# Altium PCB MOTHERBOARD.PcbDoc (part 2 of 4) (continued)
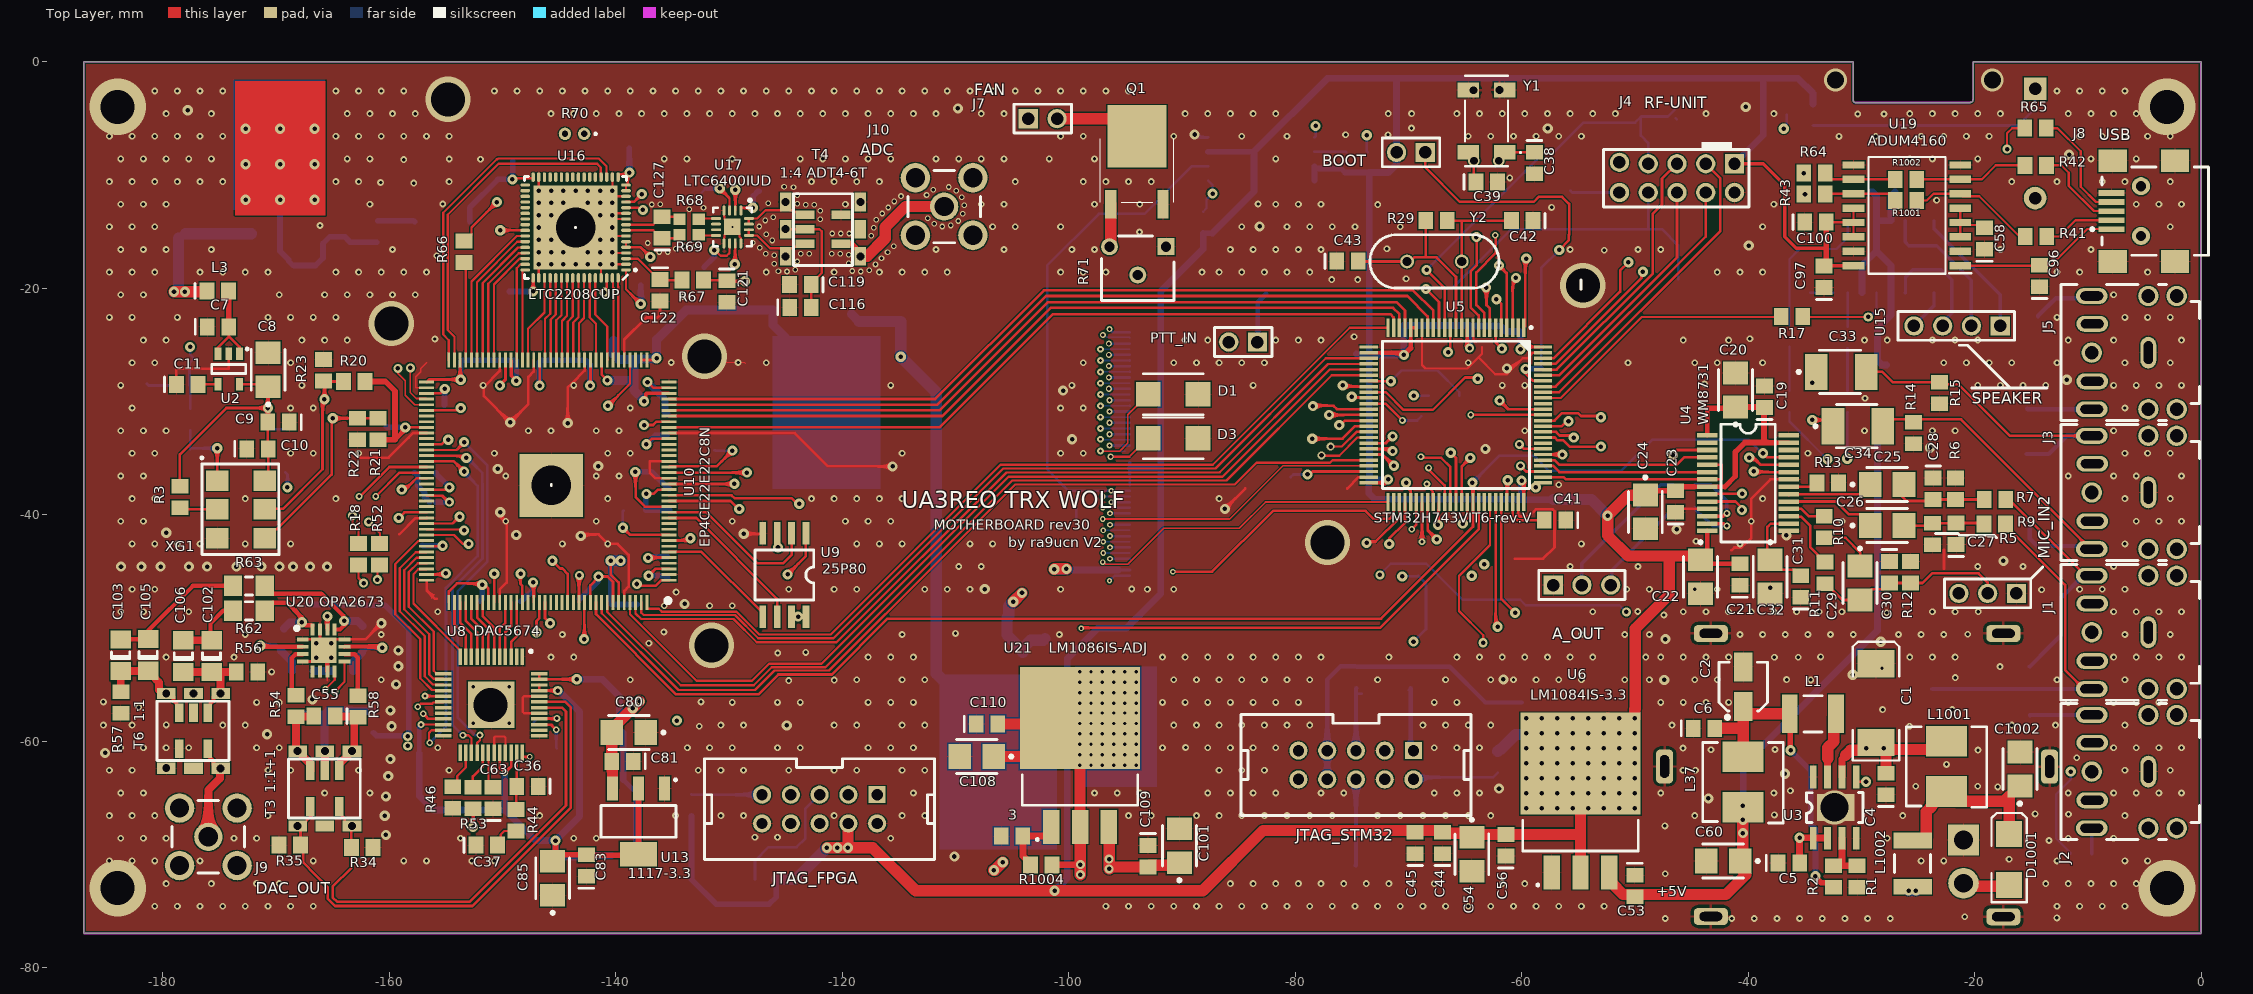
[diagram p0: Top Layer view]
## Nets (pads, with @x,y where several pads share a name; then routed paths per layer and width w, separated by ;. In a path a pad name is that pad's centre, name@x,y a point inside that pad or via, vN(x,y) a via of type N, cw(c..) or ccw(c..) an arc to the next point about the centre after c; other vN are vias at no path point) (continued)
  other v2: -40.463,-66.975 -40.463,-65.7
+12: C89.2 C90.2 C92.2 C108.1 C110.2 R25.2 R1004.2 U20.14 U21.2 U21.4 | length 130.6
  Top Layer w0.35: U20.14@-165.475,-50.15 v2@-165.475,-49.075
  Top Layer w0.381: v2@-165.475,-49.075 v2@-165.4,-49
  Top Layer w0.6: R1004.2@-101.475,-70.95 -101.462,-70.937 -98.987,-70.937 v5(-98.975,-70.925)
  Top Layer w1: C108.1@-106.625,-61.375 -102.4,-61.375 U21.4@-99.525,-58.5 ; C110.2@-106.275,-58.5 U21.4@-99.525,-58.5 ; v5(-98.975,-71.8) v5(-98.975,-70.925) -98.975,-67.6 U21.2@-99,-67.575 U21.4@-99,-57.975 U21.4@-99.525,-58.5
  Layer 1 w1: v5(-98.975,-71.8) v5(-98.975,-70.925)
  Layer 2 w1: v5(-158.375,-59.6) v5(-158.375,-60.425) -158.375,-66.825 -158.2,-67 -154.626,-70.574 -153.574,-71.626 -150.4,-74.8 -100.425,-74.8 -98.975,-73.35 v5(-98.975,-71.8) v5(-98.975,-70.925)
  Bottom Layer w0.5: C92.2@-167.35,-47.95 C90.2@-165.65,-47.95 -164.05,-47.95 -164,-48 -160.4,-48 -158.3,-50.1 -158.3,-59.525 v5(-158.375,-59.6) -158.448,-59.527 -161.148,-59.527 R25.2@-161.4,-59.275
  Bottom Layer w1: v5(-98.975,-71.8) v5(-98.975,-70.925)
  other v2: -165.475,-49
  other v4: -99.025,-62.125 -98.03,-62.125 -97.035,-62.125 -96.04,-62.125 -95.045,-62.125 -94.05,-62.125 -99.025,-61.2 -98.03,-61.2 -97.035,-61.2 -96.04,-61.2 -95.045,-61.2 -94.05,-61.2 -99.025,-60.275 -98.03,-60.275 -97.035,-60.275 -96.04,-60.275 -95.045,-60.275 -94.05,-60.275 -99.025,-59.35 -98.03,-59.35 -97.035,-59.35 -96.04,-59.35 -95.045,-59.35 -94.05,-59.35 -99.025,-58.45 -98.03,-58.45 -97.035,-58.45 -96.04,-58.45 -95.045,-58.45 -94.05,-58.45 -99.025,-57.525 -98.03,-57.525 -97.035,-57.525 -96.04,-57.525 -95.045,-57.525 -94.05,-57.525 -99.025,-56.65 -98.03,-56.65 -97.035,-56.65 -96.04,-56.65 -95.045,-56.65 -94.05,-56.65 -99.025,-55.75 -98.03,-55.75 -97.035,-55.75 -96.04,-55.75 -95.045,-55.75 -94.05,-55.75 -99.025,-54.825 -98.03,-54.825 -97.035,-54.825 -96.04,-54.825 -95.045,-54.825 -94.05,-54.825 -99.025,-53.875 -98.03,-53.875 -97.035,-53.875 -96.04,-53.875 -95.045,-53.875 -94.05,-53.875
+13.8: C101.1 C109.2 J7.1 L1002.2 R70.1 U21.3 | length 196.8
  Top Layer w1: U21.3@-96.46,-67.575 -96.425,-67.61 v5(-96.425,-70.43) v5(-96.425,-71.3) -96.25,-71.125 C109.2@-93,-71.125 -92.85,-70.975 -90.45,-70.975 C101.1@-90.225,-70.75
  Layer 1 w0.6: R70.1@-142.791,-6.376 -104.911,-6.376 J7.1@-103.57,-5.035 ; v5(-96.425,-71.3) v5(-96.425,-70.43)
  Layer 1 w1: v5(-25.825,-73.225) v5(-25.175,-73.225)
  Layer 2 w0.6: J7.1@-103.57,-5.035 -103.55,-5.055 -103.55,-39.75 -92.992,-50.308 -92.992,-64.893 -93.675,-65.576 -93.675,-71.025 ; v5@-96.45,-70.405 v5(-96.425,-70.43)
  Layer 2 w1: v5(-96.425,-70.43) v5(-96.425,-71.3) -96.15,-71.025 -93.675,-71.025 -58.525,-71.025 -56.325,-73.225 v5(-25.825,-73.225) v5(-25.175,-73.225)
  Bottom Layer w1: v5(-96.425,-71.3) v5(-96.425,-70.43) ; v5(-25.825,-73.225) v5(-25.175,-73.225)
+VA: C71.2 C77.2 C83.2 C85.2 U8.22 U8.32 U8.34 U8.45 U8.46 U13.2 U13.4 U14.3 | length 68.1
  Top Layer w0.2: v1(-157.2,-58.55) U8.22@-155.238,-58.55
  Top Layer w0.23: U8.32@-150.25,-61.038 -150.25,-62.35 v1(-149.8,-62.8) -149.25,-62.25 U8.34@-149.25,-61.038 ; U8.46@-146.762,-55.05 U8.45@-146.762,-55.55 -146.757,-55.545 -145.13,-55.545 v5(-145.125,-55.55)
  Top Layer w0.5: C85.2@-145.6,-70.1 -145.325,-69.825 v2(-145.325,-68.8) ; C85.2@-145.4,-70.05 -142.75,-70.05 -142.7,-70.1 -138.1,-70.1 U13.4@-138,-70 U13.2@-138,-64.2
  Bottom Layer w0.381: C77.2@-145.7,-70.3 C77.2@-145.6,-70.3 ; C77.2@-145.575,-70.65 -145.325,-70.4 C77.2@-145.325,-70.25 ; v5(-145.125,-55.55) v5@-145.05,-55.55 ; C71.2@-142.8,-70.25 C71.2@-142.65,-70.1
  Bottom Layer w0.4: -157.35,-61.1 -157.35,-58.754 -157.2,-58.604 v1(-157.2,-58.55)
  Bottom Layer w0.6: -157.35,-61.1 -157.35,-64.85 -156.1,-66.1 -149.8,-66.1 ; v1(-149.8,-62.8) -149.8,-66.1 ; v5@-145.05,-55.55 -143.2,-57.4 -143.2,-66.675 v2(-145.325,-68.8) ; C71.2@-142.8,-70.25 -145.325,-70.25 v2(-145.325,-68.8) ; C71.2@-142.65,-70.1 U14.3@-140.385,-70.1 ; -149.8,-66.1 -147.1,-68.8 v2(-145.325,-68.8)
+VD: C75.2 C78.2 U8.21 U8.47 U8.48 U14.2 U14.4 | length 43.8
  Top Layer w0.23: v1(-157,-57.6) -156.55,-58.05 U8.21@-155.238,-58.05 ; U8.48@-146.762,-54.05 U8.47@-146.762,-54.55 v2(-143.45,-54.55)
  Layer 1 w0.5: v1(-157,-57.6) -154,-60.6 -149.325,-60.6 -147.138,-58.412 -147.138,-56.138 -145.55,-54.55 v2(-143.45,-54.55)
  Bottom Layer w0.381: C75.2@-139.675,-58.877 C75.2@-139.302,-59.251 C75.2@-139.35,-59.3 ; U14.4@-139.35,-63.416 -138.466,-64.3 U14.4@-138.085,-64.3
  Bottom Layer w0.6: v2(-143.45,-54.55) -141.175,-54.55 -139.675,-56.05 C75.2@-139.675,-58.877 ; U14.4@-139.35,-63.416 C75.2@-139.35,-59.3
  Bottom Layer w0.8: U14.2@-138.085,-70.1 U14.4@-138.085,-64.3
AD1_CS: J6.35 U5.65 | length 42.5
  Top Layer w0.23: v2(-65.2,-40.8) -65.2,-40.7 -64.8,-40.3 U5.65@-64.8,-38.9
  Layer 2 w0.23: v7(-96.35,-40.9) -91.475,-40.9 -84.725,-47.65 -68.875,-47.65 -65.2,-43.975 v2(-65.2,-40.8)
  Bottom Layer w0.23: v7(-96.35,-40.9) J6.35@-94.6,-40.9
AD2_CS: J6.36 U5.67 | length 52.9
  Top Layer w0.23: v7@-98.86,-50 -72.5,-50 -63.8,-41.3 U5.67@-63.8,-38.9
  Layer 1 w0.23: v7(-98.9,-50.05) -98.9,-43.35 v7(-96.95,-41.4)
  Bottom Layer w0.15: v7(-96.95,-41.4) J6.36@-94.6,-41.4
AD3_CS: J6.42 U5.51 | length 30
  Top Layer w0.15: v7(-97,-44.2) -96.927,-44.2 -96.735,-44.392 -94.792,-44.392 -91.6,-41.2 -84.925,-41.2 -82.625,-38.9 U5.51@-71.8,-38.9
  Bottom Layer w0.15: v7(-97,-44.2) -96.929,-44.2 -96.729,-44.4 J6.42@-94.6,-44.4
AF_AMP_IN_L: C12.2 J3.5 | length 26
  Layer 2 w0.23: v2(-31.25,-35.075) -12.225,-35.075 -11.79,-35.51 J3.5@-9.606,-35.51
  Bottom Layer w0.23: v2(-31.25,-35.075) -31.25,-30.975 C12.2@-31.225,-30.95
AF_AMP_IN_R: C35.2 J3.4 | length 31.2
  Layer 2 w0.2: v2(-33,-35.125) -32.525,-35.125 -31.608,-36.042 -14.783,-36.042 -10.235,-40.59 J3.4@-9.606,-40.59
  Bottom Layer w0.2: C35.2@-36.35,-30.975 -36.35,-31.775 v2(-33,-35.125)
AF_AMP_MUTE: R17.2 U5.91 | length 24
  Top Layer w0.2: U5.91@-58.1,-29.7 -56.55,-29.7 -49.4,-22.55 R17.2@-37.075,-22.55
AUDIO_48K_CLOCK: U5.46 U10.136 | length 79.4
  Top Layer w0.2: U10.136@-141.25,-47.75 -141.25,-48.713 -134.463,-55.5 -127.7,-55.5 -125.978,-53.778 -121.165,-53.778 -116.172,-48.785 -116.16,-48.785 -104.717,-37.342 -85.342,-37.342 -83.423,-35.423 -76.923,-35.423 -76.7,-35.2 U5.46@-74.04,-35.2
AUDIO_I2S_CLOCK: U4.25 U5.66 U10.135 | length 122.8
  Top Layer w0.23: U10.135@-141.75,-47.75 -141.75,-48.8 -134.675,-55.875 -127.4,-55.875 -125.65,-54.125 -120.925,-54.125 -116,-49.2 -72.423,-49.2 -64.3,-41.077 U5.66@-64.3,-38.9 -64.3,-37.224 v2(-64.344,-37.18) ; v2(-38.684,-34.595) -38.329,-34.95 U4.25@-36.4,-34.95
  Bottom Layer w0.23: v2(-64.344,-37.18) -61.964,-34.8 -58.909,-34.8 -57.574,-36.135 -51.21,-36.135 -48.475,-33.4 -39.937,-33.4 -38.713,-34.624 v2(-38.684,-34.595)
CHARGE_PUMP: C134.2 R45.1 R51.1 U10.132 | length 54.3
  Top Layer w0.23: U10.132@-143.25,-47.75 -143.25,-45.4 v5(-143.225,-45.375)
  Layer 1 w0.23: v2(-177.6,-25.2) -168.2,-25.2 -160.2,-33.2 -160.2,-37.8 -158.35,-39.65 -154.389,-39.65 -153.589,-38.85 -149.658,-38.85 -144.35,-44.158 -144.35,-44.25 v5(-143.225,-45.375)
  Bottom Layer w0.23: R45.1@-177.6,-30.65 -177.6,-28.65 R51.1@-177.65,-28.6 -177.65,-26.6 -177.25,-26.2 -177.6,-25.85 v2(-177.6,-25.2)
CLK_122.88M: R21.2 R22.1 U10.89 U16.12 XG1.4 | length 72.6
  Top Layer w0.2: U16.12@-139.1,-12.9 -138.021,-12.9 -137.821,-13.1 v2(-137.6,-13.1)
  Top Layer w0.23: XG1.4@-171,-42.08 -170.215,-41.295 -169.92,-41.295 -165.1,-36.475 -165.1,-31.5 v2(-165,-31.5) R22.1@-162.8,-31.5 R21.2@-161,-31.5 ; v1(-161.2,-38.4) -159.1,-36.3 U10.89@-156.7,-36.3
  Layer 1 w0.23: v2(-165,-31.5) -165,-34.6 v1(-161.2,-38.4)
  Layer 2 w0.2: v2(-165,-31.5) -164.924,-31.424 -164.924,-30.673 -160.05,-25.8 -154.975,-25.8 -153.75,-24.575 -142.275,-24.575 -137.875,-20.175 -137.875,-13.375 v2(-137.6,-13.1) ; v1(-161.2,-38.4) -161.2,-38
CLK_N_122.88M: R20.2 R23.1 U10.88 U16.13 XG1.5 | length 75.1
  Top Layer w0.2: U16.13@-139.1,-12.4 -139.081,-12.381 -138.381,-12.381 v2(-137.7,-11.7)
  Top Layer w0.23: XG1.5@-171,-39.54 -171,-39.5 -169.4,-39.5 -165.9,-36 -165.9,-29.99 v2(-165.732,-29.822) -165.732,-28.269 R23.1@-165.75,-28.25 ; R20.2@-164.05,-28.25 R23.1@-165.75,-28.25 ; v1(-162.674,-38.402) -162.602,-38.402 -160,-35.8 U10.88@-156.7,-35.8 ; R23.1@-165.75,-28.25 R23.1@-165.8,-28.2 R23.1@-165.75,-28.25
  Layer 1 w0.23: v2(-165.732,-29.822) -165.9,-29.822 -165.9,-35.1 -162.674,-38.326 v1(-162.674,-38.402)
  Layer 2 w0.2: v2@-165.732,-29.766 v2(-165.732,-29.822) -164.572,-29.822 -160.2,-25.45 -155.225,-25.45 -153.95,-24.175 -142.675,-24.175 -138.5,-20 -138.5,-12.5 v2(-137.7,-11.7)
CLKOUTA: U10.90 U16.41 | length 31.3
  Top Layer w0.2: v2(-158.9,-37.8) -158.6,-37.8 -157.6,-36.8 U10.90@-156.7,-36.8 ; v2(-150.2,-14.9) U16.41@-148,-14.9
  Layer 1 w0.23: v2(-158.9,-37.8) -158.9,-35.056 -156.825,-32.981 -156.825,-21.525 v2(-150.2,-14.9)
DA0: U10.68 U16.42 | length 13.4
  Top Layer w0.2: U10.68@-152.75,-26.35 -152.75,-19.41 -148.74,-15.4 U16.42@-148,-15.4
  Top Layer w0.23: U10.68@-152.75,-26.35 U10.68@-152.738,-26.338
DA1: U10.67 U16.43 | length 12.6
  Top Layer w0.2: U10.67@-152.25,-26.35 -152.25,-19.476 -148.693,-15.919 -148.019,-15.919 U16.43@-148,-15.9
  Top Layer w0.23: U10.67@-152.25,-26.35 U10.67@-152.243,-26.343
DA2: U10.66 U16.44 | length 11.9
  Top Layer w0.2: U10.66@-151.75,-26.35 -151.75,-19.542 -148.628,-16.419 -148.019,-16.419 U16.44@-148,-16.4
DA3: U10.65 U16.45 | length 11.1
  Top Layer w0.2: U10.65@-151.254,-26.346 -151.254,-19.611 -148.562,-16.919 -148.019,-16.919 U16.45@-148,-16.9
  Top Layer w0.23: U10.65@-151.254,-26.346 U10.65@-151.25,-26.35
DA4: U10.64 U16.46 | length 10.4
  Top Layer w0.2: U10.64@-150.759,-26.341 -150.759,-19.682 -148.496,-17.419 -148.019,-17.419 U16.46@-148,-17.4
  Top Layer w0.23: U10.64@-150.759,-26.341 U10.64@-150.75,-26.35
DA5: U10.60 U16.47 | length 9
  Top Layer w0.2: U10.60@-148.75,-26.35 -148.75,-18.239 -148.431,-17.919 -148.019,-17.919 U16.47@-148,-17.9
DA6: U10.59 U16.48 | length 8.2
  Top Layer w0.2: U10.59@-148.25,-26.35 -148.25,-18.446 -148.204,-18.4 U16.48@-148,-18.4
  Top Layer w0.23: U10.59@-148.25,-26.35 U10.59@-148.233,-26.333
DA7: U10.58 U16.51 | length 7.9
  Top Layer w0.2: U10.58@-147.75,-26.35 -147.75,-23.601 -146.3,-22.151 U16.51@-146.3,-19.1
DA8: U10.55 U16.52 | length 7.4
  Top Layer w0.2: U10.55@-146.25,-26.35 -146.25,-22.707 -145.8,-22.257 U16.52@-145.8,-19.1
DA9: U10.54 U16.53 | length 7.4
  Top Layer w0.2: U10.54@-145.75,-26.35 -145.75,-22.773 -145.3,-22.323 U16.53@-145.3,-19.1
  Top Layer w0.23: U10.54@-145.75,-26.35 U10.54@-145.747,-26.347
DA10: U10.53 U16.54 | length 7.4
  Top Layer w0.2: U10.53@-145.25,-26.35 -145.25,-22.838 -144.8,-22.388 U16.54@-144.8,-19.1
  Top Layer w0.23: U10.53@-145.253,-26.347 U10.53@-145.25,-26.35
DA11: U10.52 U16.55 | length 7.5
  Top Layer w0.2: U10.52@-144.75,-26.35 -144.75,-22.904 -144.3,-22.454 U16.55@-144.3,-19.1
  Top Layer w0.23: U10.52@-144.75,-26.35 U10.52@-144.725,-26.325
DA12: U10.51 U16.56 | length 7.5
  Top Layer w0.2: U10.51@-144.25,-26.35 -144.25,-22.97 -143.8,-22.52 U16.56@-143.8,-19.1
  Top Layer w0.23: U10.51@-144.25,-26.35 U10.51@-144.237,-26.337
DA13: U10.50 U16.57 | length 7.4
  Top Layer w0.2: U10.50@-143.75,-26.35 -143.75,-23.035 -143.3,-22.585 U16.57@-143.3,-19.1
  Top Layer w0.23: U10.50@-143.75,-26.35 U10.50@-143.742,-26.342
DA14: U10.49 U16.58 | length 7.5
  Top Layer w0.2: U10.49@-143.25,-26.35 -143.25,-23.101 -142.8,-22.651 U16.58@-142.8,-19.1
  Top Layer w0.23: U10.49@-143.25,-26.35 U10.49@-143.239,-26.339
DA15: U10.46 U16.59 | length 7.5
  Top Layer w0.2: U16.59@-142.3,-19.1 -142.3,-22.601 -141.75,-23.151 U10.46@-141.75,-26.35
DAC1: U8.16 U10.101 | length 17.1
  Top Layer w0.2: U10.101@-156.7,-42.3 -156.727,-42.327 -157.439,-42.327 -159.475,-44.363 -159.475,-48.8 -157.275,-51 -157.275,-54.456 -156.231,-55.5 -155.288,-55.5 U8.16@-155.238,-55.55
DAC2: U8.15 U10.103 | length 15.4
  Top Layer w0.2: U10.103@-156.7,-43.3 -156.727,-43.327 -157.658,-43.327 -159.075,-44.744 -159.075,-48.534 -156.875,-50.734 -156.875,-54.29 -156.165,-55 -155.288,-55 U8.15@-155.238,-55.05
DAC3: U8.14 U10.104 | length 14
  Top Layer w0.2: U10.104@-156.7,-43.8 -156.727,-43.827 -157.592,-43.827 -158.675,-44.909 -158.675,-48.369 -156.475,-50.569 -156.475,-54.125 -156.1,-54.5 -155.288,-54.5 U8.14@-155.238,-54.55
DAC4: U8.13 U10.105 | length 12.5
  Top Layer w0.2: U10.105@-156.7,-44.3 -157.5,-44.3 -158.275,-45.075 -158.275,-48.134 -156.075,-50.334 -156.075,-53.801 -155.826,-54.05 U8.13@-155.238,-54.05
DAC5: U8.12 U10.106 | length 10.4
  Top Layer w0.2: U10.106@-156.7,-44.8 -156.727,-44.827 -157.439,-44.827 -157.875,-45.263 -157.875,-47.85 -153.75,-51.975 U8.12@-153.75,-52.562
DAC6: U8.11 U10.110 | length 5.2
  Top Layer w0.23: U10.110@-154.25,-47.75 -154.25,-49.7 -153.25,-50.7 U8.11@-153.25,-52.562
DAC7: U8.10 U10.111 | length 5.2
  Top Layer w0.23: U10.111@-153.75,-47.75 -153.75,-49.548 -152.75,-50.548 U8.10@-152.75,-52.562
DAC8: U8.9 U10.112 | length 5.2
  Top Layer w0.23: U10.112@-153.25,-47.75 -153.25,-49.384 -152.25,-50.384 U8.9@-152.25,-52.562
DAC9: U8.8 U10.113 | length 5.2
  Top Layer w0.23: U10.113@-152.75,-47.75 -152.75,-49.219 -151.75,-50.219 U8.8@-151.75,-52.562
DAC10: U8.7 U10.114 | length 5.2
  Top Layer w0.23: U10.114@-152.25,-47.75 -152.25,-49.111 -151.25,-50.111 U8.7@-151.25,-52.562
DAC11: U8.6 U10.115 | length 5.2
  Top Layer w0.23: U10.115@-151.75,-47.75 -151.75,-48.997 -150.75,-49.997 U8.6@-150.75,-52.562
DAC12: U8.5 U10.119 | length 5
  Top Layer w0.23: U8.5@-150.25,-52.562 -150.25,-50.075 -149.75,-49.575 U10.119@-149.75,-47.75
DAC13: U8.4 U10.120 | length 5
  Top Layer w0.23: U8.4@-149.75,-52.562 -149.75,-50.356 -149.25,-49.856 U10.120@-149.25,-47.75
DAC14: U8.3 U10.121 | length 5
  Top Layer w0.23: U8.3@-149.25,-52.562 -149.25,-51.25 -148.75,-50.75 U10.121@-148.75,-47.75
DAC_CLK: R53.1 U10.125 | length 23.9
  Top Layer w0.2: v2(-152.6,-67.6) R53.1@-152.6,-66
  Top Layer w0.23: v2(-147,-50.4) -147,-49.4 -146.75,-49.15 U10.125@-146.75,-47.75
  Layer 2 w0.2: v2(-152.6,-67.6) -147,-62 v2(-147,-50.4)
DAC_DIV0: U8.28 U10.85 | length 34.2
  Top Layer w0.2: U10.85@-156.7,-34.3 -154.061,-34.3 -153.4,-33.639 v2(-153.4,-33.6) ; U8.28@-152.25,-61.038 -152.25,-60.175 -152,-59.925 v1(-152,-59.475)
  Bottom Layer w0.23: v2@-153.4,-33.615 -151.34,-35.675 -151.34,-44.165 -153.975,-46.8 -153.975,-57.935 -152.435,-59.475 v1(-152,-59.475)
DAC_DIV1: U8.27 U10.86 | length 32.3
  Top Layer w0.2: U10.86@-156.7,-34.8 -153.4,-34.8 v2(-153.2,-35) ; v1(-153.5,-59.5) -153,-59.5 -152.75,-59.75 U8.27@-152.75,-61.038
  Bottom Layer w0.23: v1(-153.5,-59.5) -154.425,-58.575 -154.425,-46.55 -151.77,-43.895 -151.77,-37.294 -151.8,-37.264 -151.8,-36.3 v2@-153.15,-34.95
DAC_DRV_A0: R18.1 U10.76 | length 24.4
  Top Layer w0.15: v5(-158.15,-27.05) -158.15,-29.225 -157.627,-29.748 -156.752,-29.748 U10.76@-156.7,-29.8 U10.76@-157.233,-29.8
  Top Layer w0.2: v5(-163.264,-40.102) -163.248,-40.117 -163.248,-40.802 -162.725,-41.325 R18.1@-162.725,-42.55 ; R18.1@-162.625,-42.55 R18.1@-162.6,-42.525
  Layer 2 w0.2: v5(-163.264,-40.102) -163.374,-39.992 -163.374,-29.874 -159.75,-26.25 -158.95,-26.25 v5(-158.15,-27.05)
DAC_DRV_A1: R52.1 U10.77 | length 21.9
  Top Layer w0.15: v5(-159.25,-27.1) -159.25,-27.525 -158.6,-28.175 -158.6,-29.45 -157.75,-30.3 U10.77@-156.7,-30.3
  Top Layer w0.2: v5(-161.825,-40.65) -160.825,-41.65 R52.1@-160.825,-42.575
  Layer 2 w0.2: v5(-161.825,-40.65) -161.9,-40.575 -161.9,-29.75 v5(-159.25,-27.1)
DAC_HP1: U8.17 U10.99 | length 22.6
  Top Layer w0.2: v1@-156.85,-56.05 U8.17@-155.238,-56.05 ; v1(-156.85,-56.025) v1@-156.656,-56.025 ; U10.99@-156.7,-41.3 -156.673,-41.327 -153.473,-41.327 v2(-153.4,-41.4)
  Layer 1 w0.2: v1(-156.85,-56.025) -156.9,-55.975 -156.9,-42.575 -155.725,-41.4 v2(-153.4,-41.4)
DAC_HP2: U8.18 U10.98 | length 25.2
  Top Layer w0.2: v1@-157.5,-56.873 v1(-157.5,-56.975) -157.225,-56.7 -156.2,-56.7 -156.1,-56.6 -155.288,-56.6 U8.18@-155.238,-56.55 ; U10.98@-156.7,-40.8 -154.421,-40.8 -154.021,-40.4 -154,-40.4 v2(-153.8,-40.2)
  Layer 1 w0.23: v1(-157.5,-56.975) -157.5,-41.8 -155.9,-40.2 v2(-153.8,-40.2)
DAC_OUT_N: R34.2 T3.6 T3.10 U8.42 | length 44.8
  Top Layer w0.23: T3.10@-164.43,-66.37 T3.10@-164.43,-65.79 -164.241,-65.98 -164.241,-66.56 -163.935,-66.866 -163.935,-67.191 -163.35,-67.775 R34.2@-163.35,-69.4 -163.35,-71.2 -165,-72.85 -165,-73.8 -164.6,-74.2 -152.9,-74.2 -144.4,-65.7 -144.4,-57.4 -144.75,-57.05 U8.42@-146.762,-57.05
  other v6: -163.3,-67.5
DAC_OUT_P: R35.2 T3.4 T3.11 U8.43 | length 47.2
  Top Layer w0.23: T3.11@-166.97,-65.79 -166.866,-65.79 -166.866,-66.591 -167.775,-67.5 v6(-168.1,-67.5) -167.85,-67.75 R35.2@-167.85,-69.2 -167.6,-69.45 -167.6,-70.75 -166.579,-71.771 -165.45,-72.9 -165.45,-73.925 -164.8,-74.575 -152.667,-74.575 -143.97,-65.878 -143.97,-57.03 -144.45,-56.55 U8.43@-146.762,-56.55
DAC_PD: U8.36 U10.100 | length 34.8
  Top Layer w0.2: U10.100@-156.7,-41.8 -154.3,-41.8 -153.5,-42.6 v2(-153,-42.6) ; U8.36@-148.25,-61.038 -148.25,-61.35 -148.2,-61.4 v3(-147.6,-61.4)
  Layer 1 w0.23: v2(-153,-42.6) -153,-47 -146.6,-53.4 -143,-53.4 -142.4,-54 -142.4,-60.225 -143.575,-61.4 v3(-147.6,-61.4)
DAC_X4: U8.23 U10.87 | length 32.1
  Top Layer w0.2: U10.87@-156.7,-35.3 -154.3,-35.3 v2(-153.4,-36.2) ; v1(-156.425,-60.15) -156.502,-60.073 -156.502,-59.285 -156.276,-59.059 -155.247,-59.059 U8.23@-155.238,-59.05
  Bottom Layer w0.23: v1(-156.425,-60.15) -155,-58.725 -155,-46.475 -152.2,-43.675 -152.2,-37.472 -153.3,-36.372 v2@-153.3,-36.2
DCDC_SYNC: J6.44 U3.5 U10.133 | length 164.1
  Top Layer w0.2: v2(-142.8,-51) -142.775,-50.975 -142.775,-47.775 U10.133@-142.75,-47.75 ; U3.5@-30.444,-63.174 -30.444,-63.4 -30.244,-63.6 v2(-29.588,-63.6)
  Layer 1 w0.2: v2(-142.8,-51) -141.4,-52.4 -141.4,-66 -135.4,-72 -116.4,-72 -112.8,-68.4 -92.225,-68.4 ; v18(-96.398,-45.851) -93.05,-49.2 -93.05,-65.516 -92.192,-66.374 -92.192,-68.367 -92.225,-68.4 ; v2(-29.588,-63.6) -40.175,-63.6 -44.975,-68.4 -92.225,-68.4
  Bottom Layer w0.2: v18(-96.398,-45.851) -95.949,-45.402 -94.602,-45.402 J6.44@-94.6,-45.4
DITH: U10.71 U16.20 | length 29.5
  Top Layer w0.2: U10.71@-154.25,-26.35 -154.25,-24.3 -154.85,-23.7 -154.85,-13.52 -150.355,-9.025 -141.65,-9.025 -141.319,-9.356 -141.319,-10.181 U16.20@-141.3,-10.2
ENC2_CLK: J6.38 U5.7 | length 80.7
  Top Layer w0.23: v2(-63.136,-19.949) -63.1,-19.986 -63.1,-21.5 -62.8,-21.8 U5.7@-62.8,-23.5
  Layer 1 w0.15: v7(-96.95,-42.4) -88.65,-42.4
  Layer 1 w0.23: -88.65,-42.4 -88.468,-42.4 -81.337,-49.532 -66.038,-49.532 -52,-35.494 -52,-29.925 -62.1,-19.825 -63.012,-19.825 v2(-63.136,-19.949)
  Bottom Layer w0.15: v7(-96.95,-42.4) J6.38@-94.6,-42.4
ENC2_DT: J6.37 U5.5 | length 74.3
  Top Layer w0.23: v2(-62.224,-20.989) -61.8,-21.413 U5.5@-61.8,-23.5
  Layer 1 w0.23: v7(-96.35,-41.9) -88.499,-41.9 -81.199,-49.2 -66.175,-49.2 -53.975,-37 -53.975,-29.238 v2(-62.224,-20.989)
  Bottom Layer w0.23: v7(-96.35,-41.9) J6.37@-94.6,-41.9
ENC2_SW: J6.39 U5.3 | length 80
  Top Layer w0.23: U5.3@-60.8,-23.5 -60.8,-19.4 v2(-60.5,-19.1)
  Layer 1 w0.23: v7(-96.35,-42.9) -88.437,-42.9 -81.474,-49.863 -65.9,-49.863 -51.55,-35.513 -51.55,-29.6 -60.5,-20.65 v2(-60.5,-19.1)
  Bottom Layer w0.23: v7(-96.35,-42.9) J6.39@-94.6,-42.9
ENC_CLK: J6.41 U5.1 | length 84.4
  Top Layer w0.23: U5.1@-59.8,-23.5 -59.677,-23.377 -59.677,-17.477 v2(-59.6,-17.4)
  Layer 1 w0.23: v7(-96.35,-43.9) -88.375,-43.9 -81.749,-50.526 -65.626,-50.526 -50.75,-35.651 -50.75,-28.975 -59.075,-20.65 -59.075,-17.999 -59.6,-17.474 v2(-59.6,-17.4)
  Bottom Layer w0.23: v7(-96.35,-43.9) J6.41@-94.6,-43.9
ENC_DT: J6.40 U5.4 | length 86.3
  Top Layer w0.23: v2(-62,-18) -61.323,-18.677 -61.323,-23.477 U5.4@-61.3,-23.5
  Layer 1 w0.15: v7(-96.95,-43.4) -88.825,-43.4
  Layer 1 w0.23: -88.825,-43.4 -88.406,-43.4 -81.611,-50.195 -65.763,-50.195 -51.15,-35.582 -51.15,-29.275 -59.625,-20.8 -59.625,-18.55 -60.175,-18 v2(-62,-18) v2@-61.723,-18.277
  Bottom Layer w0.15: v7(-96.95,-43.4) J6.40@-94.6,-43.4
ESP_1_RX: J6.32 U5.64 | length 51.9
  Top Layer w0.23: U5.64@-65.3,-38.9 -65.3,-35.762 v2(-64.537,-34.999)
  Layer 2 w0.2: v7(-97,-39.4) -92.45,-39.4 ; -84.625,-47.225 -69.05,-47.225 -66.008,-44.183 -66.008,-36.47 v2(-64.537,-34.999)
  Layer 2 w0.23: -92.45,-39.4 -84.625,-47.225
  Bottom Layer w0.2: v7(-97,-39.4) J6.32@-94.6,-39.4
ESP_1_TX: J6.31 U5.63 | length 50
  Top Layer w0.23: v2(-66.26,-34.537) -65.8,-34.997 U5.63@-65.8,-38.9
  Layer 2 w0.2: -68.214,-45.814 -66.408,-44.008 -66.408,-34.686 v2(-66.26,-34.537)
  Layer 2 w0.23: v7(-96.25,-38.9) -92.325,-38.9 -84.375,-46.85 -69.25,-46.85 -68.214,-45.814
  Bottom Layer w0.23: v7(-96.25,-38.9) J6.31@-94.6,-38.9
FMC_A18: J6.2 U5.60 | length 52.1
  Top Layer w0.23: v2(-67.4,-40.9) -67.262,-40.9 -67.335,-40.827 -67.335,-38.935 U5.60@-67.3,-38.9
  Layer 1 w0.15: v8@-97.2,-24.125 -97,-24.125 v8(-96.984,-24.141) ; v8@-96.984,-24.175 -93.525,-24.175 -92,-22.65 -69.843,-22.65 -67.4,-25.092 -67.4,-32.71 -67.225,-32.885 -67.225,-40.725 v2(-67.4,-40.9)
  Bottom Layer w0.15: v8(-96.984,-24.141) -96.876,-24.141 -96.667,-24.35 -94.65,-24.35 J6.2@-94.6,-24.4
FMC_D0: J6.6 U5.61 | length 48.4
  Top Layer w0.23: v1(-68.219,-35.877) -68.219,-36.004 -66.8,-37.423 U5.61@-66.8,-38.9
  Layer 1 w0.15: v9@-97.05,-26.4 -95,-26.4
  Layer 1 w0.23: -95,-26.4 -91.65,-23.05 -70.075,-23.05 -67.775,-25.35 -67.775,-35.433 v1(-68.219,-35.877)
  Bottom Layer w0.15: v9@-97.05,-26.4 J6.6@-94.6,-26.4
  other v9: -97.2,-26.4
FMC_D1: J6.7 U5.62 | length 47.6
  Top Layer w0.23: v1(-68.9,-34.9) -68.8,-35 -67.1,-35 -66.3,-35.8 U5.62@-66.3,-38.9
  Layer 1 w0.15: v8(-96.45,-26.877) -96.427,-26.9 -94.85,-26.9
  Layer 1 w0.23: -94.85,-26.9 -91.5,-23.55 -71.05,-23.55 -68.15,-26.45 -68.15,-34.15 v1(-68.9,-34.9)
  Bottom Layer w0.23: v8(-96.45,-26.877) -96.439,-26.889 -94.612,-26.889 J6.7@-94.6,-26.9
FMC_D2: J6.8 U5.81 | length 48.1
  Top Layer w0.23: U5.81@-58.1,-34.7 -58.089,-34.711 -58.078,-34.7 v2(-56.4,-34.7)
  Layer 2 w0.15: v9(-97.2,-27.4) -96.266,-27.4 -96.1,-27.233 -65.867,-27.233 -65.85,-27.25
  Layer 2 w0.23: -65.85,-27.25 -61.3,-31.8 -59.3,-31.8 v2(-56.4,-34.7)
  Bottom Layer w0.15: v9@-97.05,-27.4 J6.8@-94.6,-27.4
FMC_D3: J6.9 U5.82 | length 43.1
  Top Layer w0.23: v5(-60.2,-33.8) -59.8,-34.2 U5.82@-58.1,-34.2
  Layer 2 w0.15: v8(-96.45,-27.9) -96.411,-27.9 -96.036,-27.525 -66.75,-27.525
  Layer 2 w0.23: -66.75,-27.525 -66.475,-27.525 v5(-60.2,-33.8)
  Bottom Layer w0.23: v8(-96.45,-27.9) J6.9@-94.6,-27.9
FMC_D4: J6.10 U5.37 | length 27
  Top Layer w0.23: v2(-78.435,-30.423) -78.389,-30.377 -76.659,-30.377 -76.636,-30.4 -76.608,-30.4 -76.308,-30.7 U5.37@-73.5,-30.7
  Layer 1 w0.15: v9@-97.05,-28.4 -86.046,-28.4
  Layer 1 w0.23: -86.046,-28.4 -84.023,-30.423 v2(-78.435,-30.423)
  Bottom Layer w0.15: v9@-97.05,-28.4 J6.10@-94.6,-28.4
  other v9: -97.2,-28.4